# Altium PCB HORNET-1-IPG.PcbDoc (part 1 of 8) (continued)
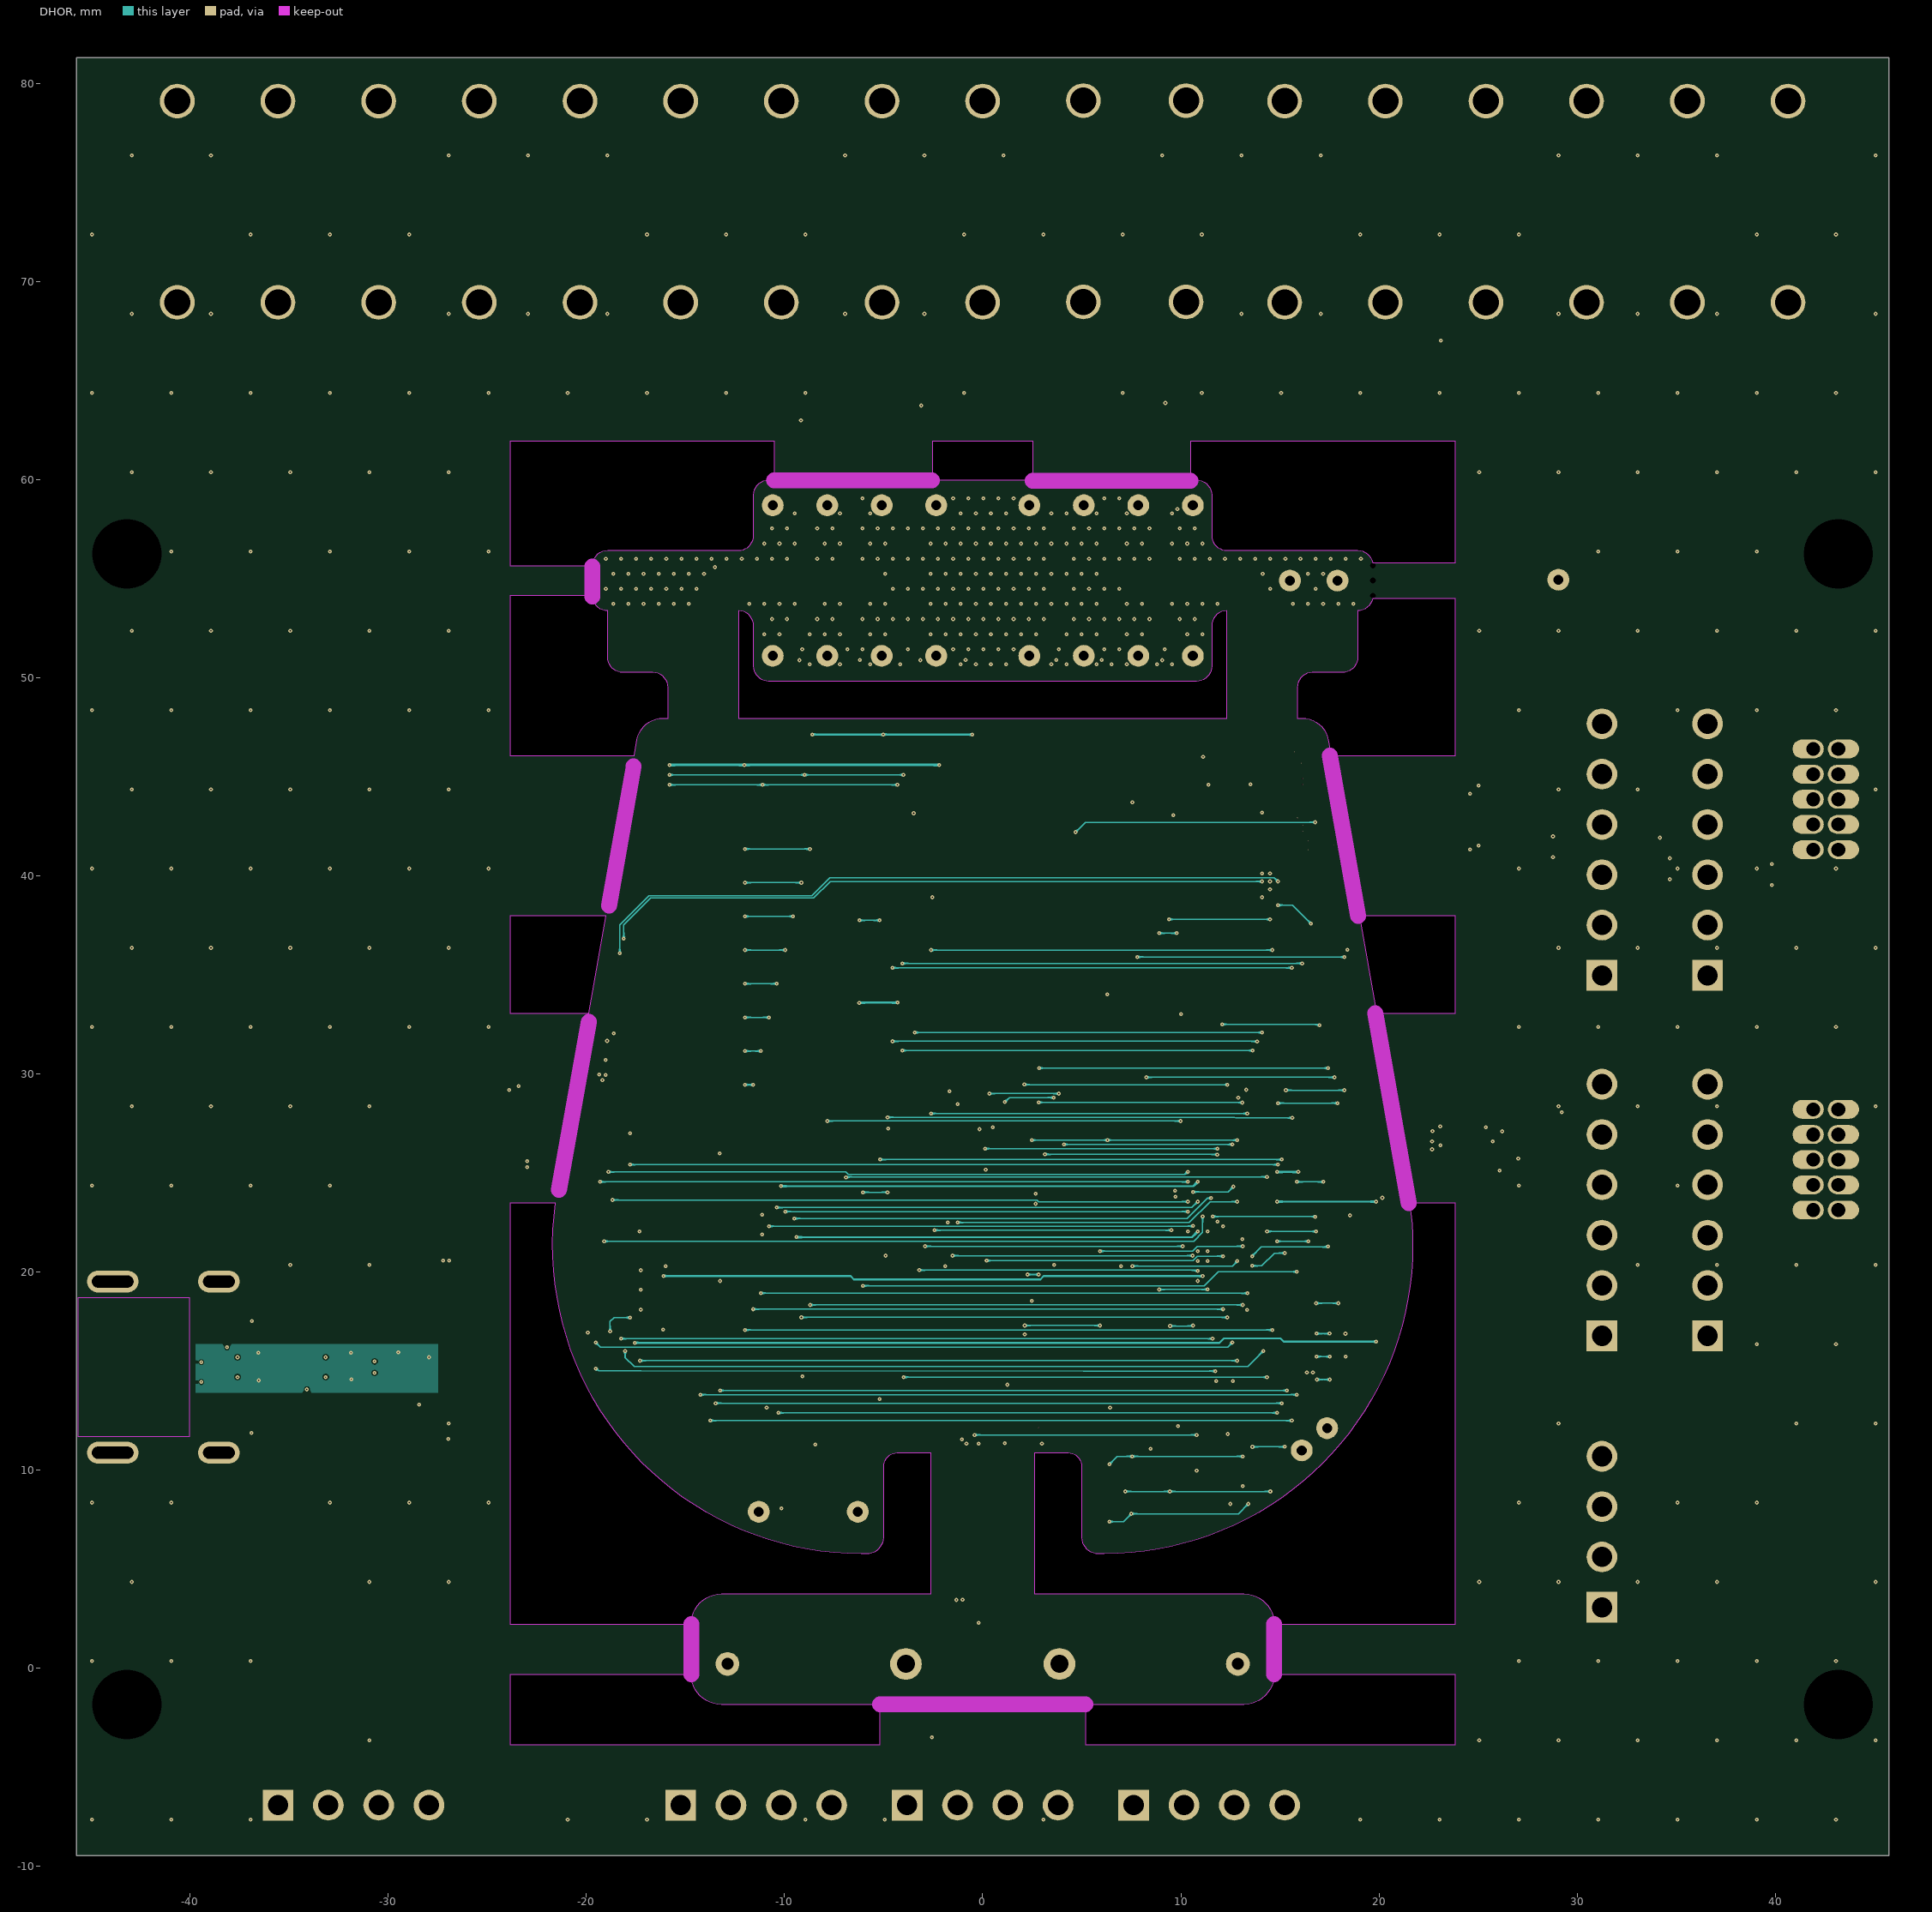
[diagram p7: DHOR]
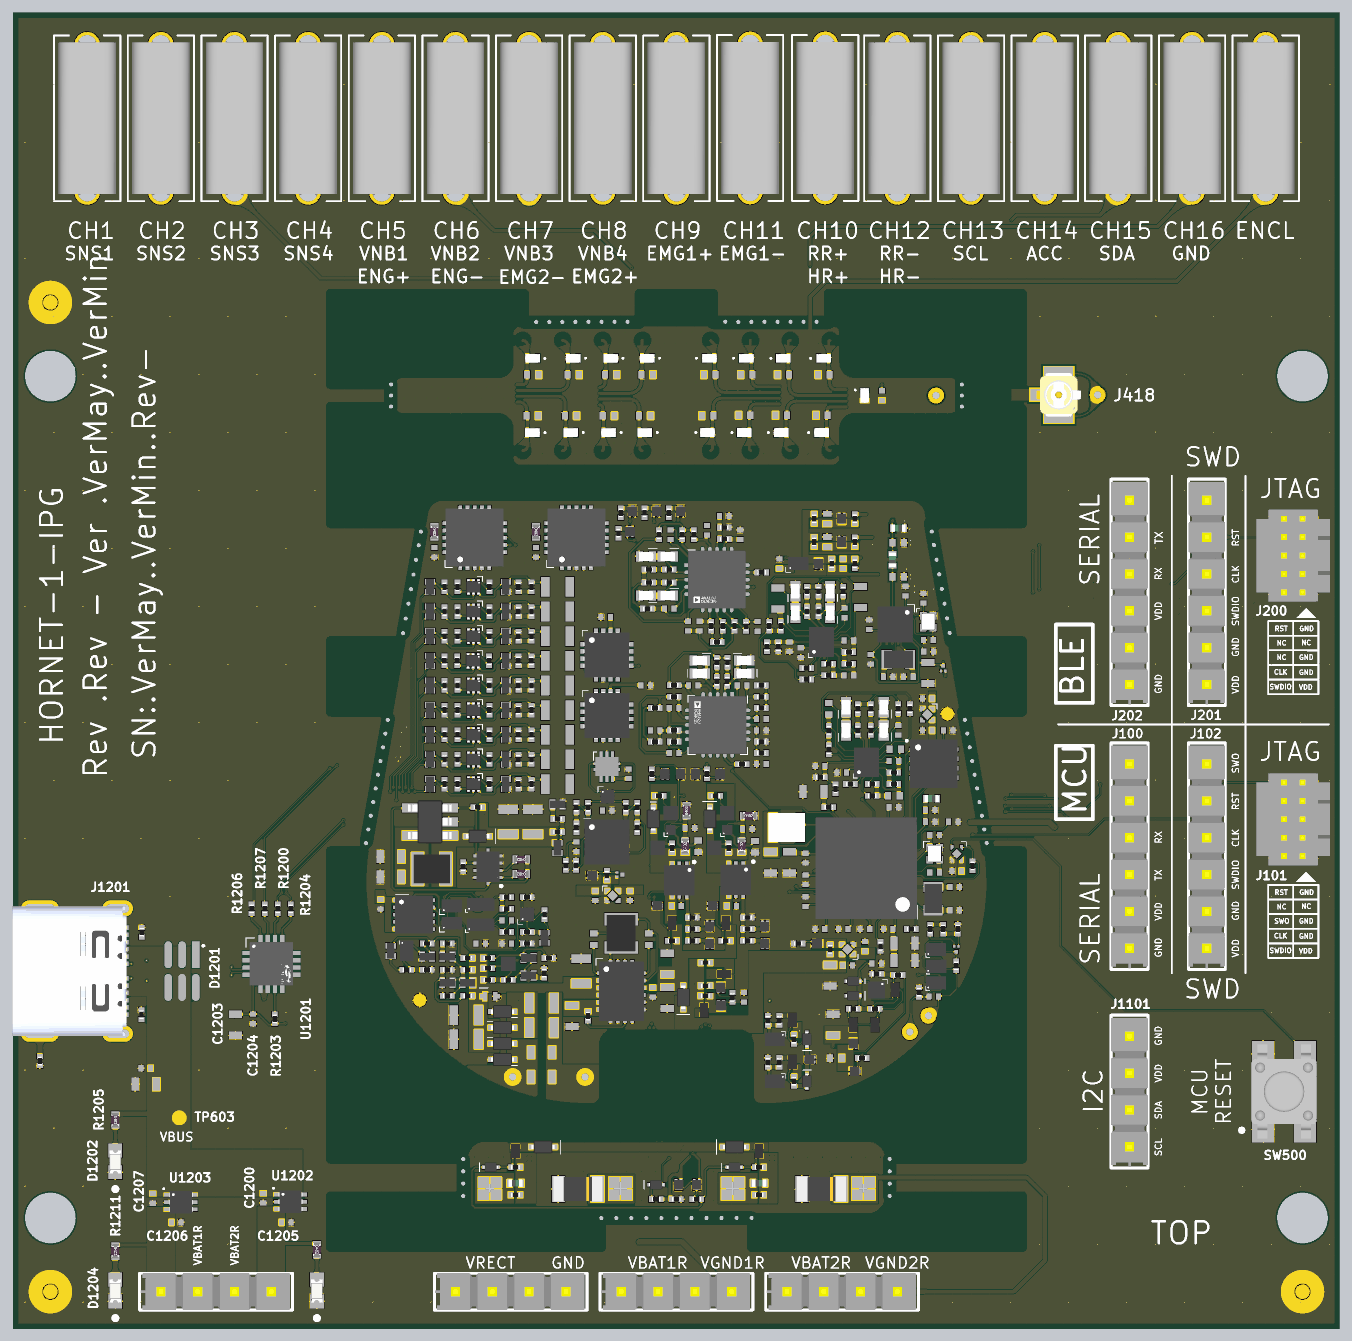
[diagram p15: 3D render of the assembled board from above, using the file's embedded part models]

## Layer stack, top to bottom
Top Solder: solder mask 0.0381, FC-001, Dk 4
Top Solder: solder mask 0.0178, SM-004, Dk 4
TOP: signal copper 0.0203
Dielectric 1: prepreg 0.0457, FR-370HR, Dk 4.04
AVERT: signal copper 0.0178
Dielectric 2: prepreg 0.0457, FR-370HR, Dk 4.04
AHOR: signal copper 0.0178
Dielectric 3: prepreg 0.1016, FR-370HR, Dk 4.04
Dielectric 3: prepreg 0.1016, FR-370HR, Dk 4.04
GND: signal copper 0.0178
Polyimide 4 Core: core 0.0508, Core-50um, Dk 4
POWER: signal copper 0.0178
Dielectric 4: prepreg 0.1016, FR-370HR, Dk 4.04
DVERT: signal copper 0.0178
Dielectric 5: prepreg 0.0457, FR-370HR, Dk 4.04
DHOR: signal copper 0.0178
Dielectric 6: prepreg 0.0457, FR-370HR, Dk 4.04
BOT: signal copper 0.0203
ThinFlex Bottom Coverlay: solder mask 0.0178, SM-004, Dk 4
ThinFlex Bottom Coverlay: solder mask 0.0381, FC-001, Dk 4

## Board outline
45.72,-0.316 45.723,-0.316 45.723,81.28 -45.717,81.28 -45.717,-9.449 23.859,-9.449 45.72,-9.449
cut-out: -2.549,59.977 2.549,59.977 2.549,61.925 -2.549,61.925
cut-out: 23.848,55.809 23.848,61.925 10.495,61.925 10.495,59.977 10.795,59.977 cw(c10.794,59.214) 11.557,59.215 11.557,57.183 ccw(c12.318,57.183) 12.319,56.421 18.923,56.421 cw(c18.922,55.658) 19.67,55.809
cut-out: 23.848,46.071 23.848,53.986 19.67,53.986 cw(c18.924,54.135) 18.923,53.373 18.923,51.021 18.923,51.02 cw(c18.162,51.02) 18.161,50.259 16.637,50.259 ccw(c16.638,49.496) 15.875,49.496 15.875,47.957 16.126,47.957 cw(c16.126,46.623) 17.44,46.855 17.578,46.071
cut-out: 23.848,33.071 23.848,37.978 19.005,37.978 19.87,33.071
cut-out: 5.188,-1.834 5.188,-3.852 23.853,-3.852 23.853,-0.316 14.706,-0.316 14.706,-0.315 cw(c13.182,-0.305) 13.182,-1.829 5.182,-1.829
cut-out: 2.604,3.759 13.182,3.759 cw(c13.182,2.235) 14.706,2.235 23.848,2.235 23.848,23.484 21.551,23.484 cw(c6.143,21.336) 21.7,21.336 cw(c6.142,21.336) 6.142,5.778 5.842,5.778 cw(c5.842,6.604) 5.016,6.604 5.016,10.16 ccw(c4.318,10.16) 4.318,10.858 2.604,10.858
cut-out: -12.319,47.957 12.319,47.957 12.319,53.373 ccw(c12.32,52.61) 11.557,52.611 11.557,50.579 cw(c10.796,50.579) 10.795,49.817 -10.795,49.817 cw(c-10.796,50.579) -11.557,50.579 -11.557,52.611 ccw(c-12.32,52.61) -12.319,53.373
cut-out: -23.851,55.651 -19.67,55.651 -19.67,55.809 cw(c-18.922,55.658) -18.923,56.421 -12.319,56.421 ccw(c-12.318,57.183) -11.557,57.183 -11.557,59.214 cw(c-10.794,59.214) -10.795,59.977 -10.495,59.977 -10.495,61.925 -23.851,61.925
cut-out: -23.851,46.071 -17.578,46.071 -17.44,46.855 cw(c-16.126,46.623) -16.126,47.957 -15.875,47.957 -15.875,49.497 ccw(c-16.638,49.496) -16.637,50.259 -18.161,50.259 cw(c-18.162,51.02) -18.923,51.02 -18.923,53.373 cw(c-18.924,54.135) -19.67,53.986 -19.67,54.135 -23.851,54.135
cut-out: -23.851,33.071 -19.87,33.071 -19.005,37.978 -23.851,37.978
cut-out: -23.851,-3.852 -5.188,-3.852 -5.188,-1.834 -5.182,-1.829 -13.183,-1.829 cw(c-13.183,-0.305) -14.707,-0.316 -23.851,-0.316
cut-out: -2.603,3.759 -2.603,10.858 -4.318,10.858 ccw(c-4.318,10.16) -5.016,10.16 -5.016,6.604 cw(c-5.842,6.604) -5.842,5.778 -6.142,5.778 cw(c-6.142,21.336) -21.551,23.484 -23.851,23.484 -23.851,2.235 -14.707,2.235 cw(c-13.183,2.235) -13.183,3.759
board region "Layer Stack Region 9": -23.851,23.484 -21.501,23.484 -19.8,33.071 -23.851,33.071 -23.851,37.978 -18.937,37.978 -17.505,46.071 -23.851,46.071 -23.851,54.135 -19.617,54.135 -19.617,55.651 -23.851,55.651 -23.851,61.925 -10.495,61.925 -10.495,59.977 -2.549,59.977 -2.549,61.925 2.549,61.925 2.549,59.977 10.495,59.977 10.495,61.925 23.848,61.925 23.848,55.809 19.657,55.809 19.657,53.986 23.848,53.986 23.848,46.071 17.564,46.071 18.996,37.978 23.848,37.978 23.848,33.071 19.808,33.071 21.509,23.484 23.848,23.484 23.848,2.235 14.706,2.235 14.701,2.23 14.701,-0.31 14.706,-0.316 45.723,-0.316 45.723,81.28 -45.717,81.28 -45.717,-9.449 23.859,-9.449 23.859,-3.857 23.853,-3.852 5.188,-3.852 5.188,-1.834 5.182,-1.829 -5.182,-1.829 -5.188,-1.834 -5.188,-3.852 -23.851,-3.852 -23.851,-0.316 -14.706,-0.316 -14.701,-0.31 -14.701,2.23 -14.706,2.235 -23.851,2.235
board region "Layer Stack Region 3": 5.842,5.778 6.142,5.778 6.753,5.778 7.972,5.874 9.179,6.065 10.368,6.351 11.531,6.728 12.66,7.196 13.749,7.751 14.792,8.39 15.781,9.109 16.711,9.903 17.575,10.767 18.369,11.697 19.088,12.686 19.726,13.728 20.281,14.818 20.749,15.947 21.127,17.11 21.412,18.298 21.604,19.506 21.7,20.725 21.7,21.336 21.7,21.605 21.681,22.144 21.644,22.681 21.588,23.217 21.551,23.484 21.509,23.484 19.808,33.071 19.87,33.071 19.005,37.978 18.996,37.978 17.564,46.071 17.578,46.071 17.44,46.855 17.42,46.97 17.34,47.189 17.223,47.391 17.073,47.57 16.894,47.72 16.692,47.837 16.473,47.917 16.243,47.957 16.126,47.957 -16.126,47.957 -16.243,47.957 -16.473,47.917 -16.692,47.837 -16.894,47.72 -17.073,47.57 -17.223,47.391 -17.34,47.189 -17.42,46.97 -17.44,46.855 -17.578,46.071 -17.505,46.071 -18.937,37.978 -19.005,37.978 -19.87,33.071 -19.8,33.071 -21.501,23.484 -21.551,23.484 -21.627,22.935 -21.702,21.829 -21.697,20.721 -21.614,19.615 -21.452,18.518 -21.213,17.436 -20.897,16.373 -20.507,15.336 -20.043,14.329 -19.509,13.358 -18.908,12.427 -18.241,11.541 -17.514,10.704 -16.728,9.922 -15.889,9.198 -15.001,8.535 -14.067,7.937 -13.094,7.407 -12.085,6.947 -11.046,6.561 -9.982,6.249 -8.899,6.014 -7.802,5.857 -6.696,5.778 -6.142,5.778 -5.842,5.778 -5.761,5.778 -5.601,5.81 -5.451,5.872 -5.316,5.962 -5.2,6.078 -5.11,6.213 -5.048,6.363 -5.016,6.523 -5.016,6.604 -5.016,10.16 -5.013,10.228 -4.986,10.363 -4.934,10.489 -4.858,10.603 -4.761,10.7 -4.647,10.776 -4.521,10.828 -4.386,10.855 -4.318,10.858 4.318,10.858 4.386,10.855 4.521,10.828 4.647,10.776 4.761,10.7 4.858,10.603 4.934,10.489 4.986,10.363 5.013,10.228 5.016,10.16 5.016,6.604 5.016,6.523 5.048,6.363 5.11,6.213 5.201,6.078 5.316,5.962 5.451,5.872 5.601,5.81 5.761,5.778
board region "Layer Stack Region 2": -18.924,53.373 -18.923,53.373 -12.319,53.373 -12.244,53.37 -12.098,53.34 -11.96,53.283 -11.836,53.2 -11.73,53.094 -11.647,52.97 -11.59,52.832 -11.561,52.686 -11.557,52.611 -11.557,50.579 -11.557,50.504 -11.528,50.356 -11.47,50.218 -11.387,50.093 -11.281,49.987 -11.156,49.904 -11.017,49.846 -10.87,49.817 -10.795,49.817 10.795,49.817 10.87,49.817 11.017,49.846 11.156,49.904 11.281,49.987 11.387,50.093 11.47,50.218 11.528,50.357 11.557,50.504 11.557,50.579 11.557,52.611 11.561,52.686 11.59,52.832 11.647,52.97 11.73,53.094 11.836,53.2 11.96,53.283 12.098,53.34 12.244,53.37 12.319,53.373 18.923,53.373 19.055,53.373 19.304,53.462 19.509,53.63 19.645,53.856 19.67,53.986 19.657,53.986 19.657,55.809 19.67,55.809 19.644,55.938 19.508,56.164 19.304,56.332 19.055,56.421 18.923,56.421 12.319,56.421 12.244,56.425 12.098,56.454 11.96,56.511 11.836,56.594 11.73,56.699 11.647,56.824 11.59,56.962 11.561,57.108 11.557,57.183 11.557,59.215 11.557,59.29 11.527,59.437 11.47,59.576 11.387,59.701 11.28,59.807 11.156,59.89 11.017,59.948 10.87,59.977 10.795,59.977 10.495,59.977 2.549,59.977 -2.549,59.977 -10.795,59.977 -10.87,59.977 -11.017,59.948 -11.156,59.89 -11.281,59.807 -11.387,59.7 -11.47,59.575 -11.528,59.437 -11.557,59.289 -11.557,59.214 -11.557,57.183 -11.561,57.109 -11.59,56.962 -11.647,56.824 -11.73,56.7 -11.835,56.594 -11.96,56.511 -12.098,56.454 -12.244,56.425 -12.319,56.421 -18.923,56.421 -19.055,56.421 -19.304,56.332 -19.508,56.164 -19.644,55.938 -19.67,55.809 -19.67,55.651 -19.617,55.651 -19.617,54.135 -19.67,54.135 -19.67,53.986 -19.645,53.856 -19.509,53.63 -19.304,53.462 -19.056,53.373
board region "Layer Stack Region 8": 45.72,-9.449 45.72,-0.316 23.853,-0.316 23.853,-3.852 23.859,-3.857 23.859,-9.449
board region "Layer Stack Region 6": 13.182,-1.829 13.332,-1.829 13.625,-1.771 13.901,-1.657 14.15,-1.491 14.362,-1.281 14.529,-1.033 14.645,-0.758 14.705,-0.465 14.706,-0.315 14.701,-0.31 14.701,2.23 14.706,2.235 14.706,2.385 14.648,2.68 14.533,2.957 14.366,3.207 14.154,3.419 13.904,3.586 13.627,3.701 13.332,3.759 13.182,3.759 -13.183,3.759 -13.333,3.759 -13.627,3.701 -13.904,3.586 -14.154,3.419 -14.366,3.207 -14.533,2.957 -14.648,2.68 -14.707,2.385 -14.707,2.235 -14.701,2.23 -14.701,-0.31 -14.706,-0.316 -14.705,-0.465 -14.645,-0.758 -14.529,-1.033 -14.362,-1.281 -14.15,-1.491 -13.901,-1.657 -13.625,-1.771 -13.332,-1.829 -13.183,-1.829 5.182,-1.829
board region "Layer Stack Region 7": -2.603,3.759 2.604,3.759 2.604,10.858 -2.603,10.858
board region "Layer Stack Region 4": -18.162,50.259 -18.161,50.259 -16.637,50.259 -16.562,50.255 -16.416,50.226 -16.278,50.169 -16.154,50.086 -16.048,49.98 -15.965,49.856 -15.908,49.718 -15.879,49.571 -15.875,49.497 -15.875,47.957 -12.319,47.957 -12.319,53.373 -18.923,53.373 -18.923,51.02 -18.923,50.945 -18.894,50.798 -18.836,50.66 -18.753,50.535 -18.647,50.429 -18.522,50.345 -18.384,50.288 -18.237,50.259
board region "Layer Stack Region 5": 18.923,51.02 18.923,51.021 18.923,53.373 12.319,53.373 12.319,47.957 15.875,47.957 15.875,49.496 15.879,49.571 15.908,49.717 15.965,49.855 16.048,49.979 16.154,50.085 16.278,50.168 16.416,50.226 16.562,50.255 16.637,50.259 18.161,50.259 18.236,50.259 18.383,50.288 18.522,50.345 18.647,50.429 18.753,50.535 18.836,50.659 18.894,50.798 18.923,50.945

## Design rules (kind name [scope] priority, off if disabled: settings)
AcuteAngle [All] p1: minimum=6.00000000000000E+0001 checktracksonly=TRUE
AssemblyTestPointUsage [All] p1 off:
AssemblyTestpoint [All] p1 off: testpointundercomponent=TRUE minsize=1.016 maxsize=2.54 preferedsize=1.524 minholesize=0 maxholesize=1.016 preferedholesize=0.813 testpointgrid=0.025 usegrid=TRUE gridtolerance=0 allowsidetop=TRUE allowsidebottom=TRUE
BoardOutlineClearance BoardOutlineClearance_PWR [OnLayer('POWER') AND IsPolygon] p1: gap=0.06 ignorepadtopadclearanceinfootprint=FALSE except(0.325: Poly-OutlineEdge Poly-CavityEdge Poly-CutoutEdge Poly-SplitContinuation)
BoardOutlineClearance [Not(OnLayer('Top Overlay')OR OnLayer('Bottom Overlay') or (IsPad and not InAnyNet))] p2: gap=0.06 ignorepadtopadclearanceinfootprint=FALSE except(0: Arc-SplitContinuation Track-SplitContinuation SMDPad-SplitContinuation THPad-SplitContinuation Via-SplitContinuation Fill-SplitContinuation Poly-SplitContinuation Region-SplitContinuation Text-SplitContinuation; 0.325: Poly-OutlineEdge Poly-CavityEdge Poly-CutoutEdge) // GSS_Standard
Clearance Clearance_ANT [InNetClass('50_OHM')] p1: gap=0.127 ignorepadtopadclearanceinfootprint=TRUE
Clearance Clearance_GSS_STD_40u_underBGA [WithinRoom('BGA1','BGA2','BGA3','BGA4','BGA5','BGA6')] p2: gap=0.051 ignorepadtopadclearanceinfootprint=TRUE // 18u (1/2oz) Cu
Clearance Clearance_GSS_STD_40u_NOTunderBGA [not WithinRoom('BGA1','BGA2','BGA3','BGA4','BGA5','BGA6')] p3: gap=0.06 ignorepadtopadclearanceinfootprint=TRUE except(0.051: Via-Via; 0.1: Poly-Hole; 0.13: Arc-SMDPad Track-SMDPad) // 18u (1/2oz) Cu
Clearance Clearance_GSS_PERF_40u [All] p4 off: gap=0.04 ignorepadtopadclearanceinfootprint=TRUE // 18u (1/2oz) Cu per design guidelines
Clearance Clearance_GSS_PERF_50u [All] p5 off: gap=0.05 ignorepadtopadclearanceinfootprint=TRUE // 18u (1/2oz) Cu per discussion with GSS
ComponentClearance [All] p1: gap=0.2 collisioncheckmode=3 verticalgap=0.254 showdistances=FALSE
DiffPairsRouting DiffPairsRouting_USB [InDifferentialPair('USB')] p1: maxlimit=0.127 minlimit=0.102 mostfreqgap=0.127 toplayer_maxgap=0.102 toplayer_prefgap=0.102 toplayer_minwidth=0.079 toplayer_maxwidth=0.079 toplayer_prefwidth=0.079 bottomlayer_maxgap=0.102 bottomlayer_prefgap=0.102 bottomlayer_minwidth=0.079 bottomlayer_maxwidth=0.079 bottomlayer_prefwidth=0.079 substack1={3E7DB748-9F02-419D-9B08-30533E7470E3} toplayer_{3e7db748-9f02-419d-9b08-30533e7470e3}_mingap=0.254 toplayer_{3e7db748-9f02-419d-9b08-30533e7470e3}_maxgap=0.254 toplayer_{3e7db748-9f02-419d-9b08-30533e7470e3}_prefgap=0.254 toplayer_{3e7db748-9f02-419d-9b08-30533e7470e3}_minwidth=0.381 toplayer_{3e7db748-9f02-419d-9b08-30533e7470e3}_maxwidth=0.381 toplayer_{3e7db748-9f02-419d-9b08-30533e7470e3}_prefwidth=0.381 midlayer1_{3e7db748-9f02-419d-9b08-30533e7470e3}_mingap=0.254 midlayer1_{3e7db748-9f02-419d-9b08-30533e7470e3}_maxgap=0.254 midlayer1_{3e7db748-9f02-419d-9b08-30533e7470e3}_prefgap=0.254 midlayer1_{3e7db748-9f02-419d-9b08-30533e7470e3}_minwidth=0.381 midlayer1_{3e7db748-9f02-419d-9b08-30533e7470e3}_maxwidth=0.381 midlayer1_{3e7db748-9f02-419d-9b08-30533e7470e3}_prefwidth=0.381 midlayer2_{3e7db748-9f02-419d-9b08-30533e7470e3}_mingap=0.254 midlayer2_{3e7db748-9f02-419d-9b08-30533e7470e3}_maxgap=0.254 midlayer2_{3e7db748-9f02-419d-9b08-30533e7470e3}_prefgap=0.254 midlayer2_{3e7db748-9f02-419d-9b08-30533e7470e3}_minwidth=0.381 midlayer2_{3e7db748-9f02-419d-9b08-30533e7470e3}_maxwidth=0.381 midlayer2_{3e7db748-9f02-419d-9b08-30533e7470e3}_prefwidth=0.381 midlayer3_{3e7db748-9f02-419d-9b08-30533e7470e3}_mingap=0.254 midlayer3_{3e7db748-9f02-419d-9b08-30533e7470e3}_maxgap=0.254 midlayer3_{3e7db748-9f02-419d-9b08-30533e7470e3}_prefgap=0.254 midlayer3_{3e7db748-9f02-419d-9b08-30533e7470e3}_minwidth=0.381 midlayer3_{3e7db748-9f02-419d-9b08-30533e7470e3}_maxwidth=0.381 midlayer3_{3e7db748-9f02-419d-9b08-30533e7470e3}_prefwidth=0.381 midlayer6_{3e7db748-9f02-419d-9b08-30533e7470e3}_mingap=0.254 midlayer6_{3e7db748-9f02-419d-9b08-30533e7470e3}_maxgap=0.254 midlayer6_{3e7db748-9f02-419d-9b08-30533e7470e3}_prefgap=0.254 midlayer6_{3e7db748-9f02-419d-9b08-30533e7470e3}_minwidth=0.381 midlayer6_{3e7db748-9f02-419d-9b08-30533e7470e3}_maxwidth=0.381 midlayer6_{3e7db748-9f02-419d-9b08-30533e7470e3}_prefwidth=0.381 bottomlayer_{3e7db748-9f02-419d-9b08-30533e7470e3}_mingap=0.254 bottomlayer_{3e7db748-9f02-419d-9b08-30533e7470e3}_maxgap=0.254 bottomlayer_{3e7db748-9f02-419d-9b08-30533e7470e3}_prefgap=0.254 bottomlayer_{3e7db748-9f02-419d-9b08-30533e7470e3}_minwidth=0.381 bottomlayer_{3e7db748-9f02-419d-9b08-30533e7470e3}_maxwidth=0.381 bottomlayer_{3e7db748-9f02-419d-9b08-30533e7470e3}_prefwidth=0.381 impedanceprofiledriven=TRUE impedanceprofileid={1821BC03-67A2-4A2A-97A5-594607916CFC} impedanceprofilevalue=90.000000 filterlayerstackid={A074DC63-9603-4F09-AF23-0239F3F14C14} maxuncoupledlength=12.7
DiffPairsRouting [All] p2: maxlimit=0.254 minlimit=0.254 mostfreqgap=0.254 toplayer_minwidth=0.381 toplayer_maxwidth=0.381 toplayer_prefwidth=0.381 midlayer1_minwidth=0.381 midlayer1_maxwidth=0.381 midlayer1_prefwidth=0.381 midlayer2_minwidth=0.381 midlayer2_maxwidth=0.381 midlayer2_prefwidth=0.381 midlayer3_minwidth=0.381 midlayer3_maxwidth=0.381 midlayer3_prefwidth=0.381 midlayer4_minwidth=0.381 midlayer4_maxwidth=0.381 midlayer4_prefwidth=0.381 midlayer5_minwidth=0.381 midlayer5_maxwidth=0.381 midlayer5_prefwidth=0.381 midlayer6_minwidth=0.381 midlayer6_maxwidth=0.381 midlayer6_prefwidth=0.381 bottomlayer_minwidth=0.381 bottomlayer_maxwidth=0.381 bottomlayer_prefwidth=0.381 substack1={3E7DB748-9F02-419D-9B08-30533E7470E3} toplayer_{3e7db748-9f02-419d-9b08-30533e7470e3}_minwidth=0.381 toplayer_{3e7db748-9f02-419d-9b08-30533e7470e3}_maxwidth=0.381 toplayer_{3e7db748-9f02-419d-9b08-30533e7470e3}_prefwidth=0.381 midlayer1_{3e7db748-9f02-419d-9b08-30533e7470e3}_minwidth=0.381 midlayer1_{3e7db748-9f02-419d-9b08-30533e7470e3}_maxwidth=0.381 midlayer1_{3e7db748-9f02-419d-9b08-30533e7470e3}_prefwidth=0.381 midlayer2_{3e7db748-9f02-419d-9b08-30533e7470e3}_minwidth=0.381 midlayer2_{3e7db748-9f02-419d-9b08-30533e7470e3}_maxwidth=0.381 midlayer2_{3e7db748-9f02-419d-9b08-30533e7470e3}_prefwidth=0.381 midlayer3_{3e7db748-9f02-419d-9b08-30533e7470e3}_minwidth=0.381 midlayer3_{3e7db748-9f02-419d-9b08-30533e7470e3}_maxwidth=0.381 midlayer3_{3e7db748-9f02-419d-9b08-30533e7470e3}_prefwidth=0.381 midlayer4_{3e7db748-9f02-419d-9b08-30533e7470e3}_minwidth=0.381 midlayer4_{3e7db748-9f02-419d-9b08-30533e7470e3}_maxwidth=0.381 midlayer4_{3e7db748-9f02-419d-9b08-30533e7470e3}_prefwidth=0.381 midlayer5_{3e7db748-9f02-419d-9b08-30533e7470e3}_minwidth=0.381 midlayer5_{3e7db748-9f02-419d-9b08-30533e7470e3}_maxwidth=0.381 midlayer5_{3e7db748-9f02-419d-9b08-30533e7470e3}_prefwidth=0.381 midlayer6_{3e7db748-9f02-419d-9b08-30533e7470e3}_minwidth=0.381 midlayer6_{3e7db748-9f02-419d-9b08-30533e7470e3}_maxwidth=0.381 midlayer6_{3e7db748-9f02-419d-9b08-30533e7470e3}_prefwidth=0.381 bottomlayer_{3e7db748-9f02-419d-9b08-30533e7470e3}_minwidth=0.381 bottomlayer_{3e7db748-9f02-419d-9b08-30533e7470e3}_maxwidth=0.381 bottomlayer_{3e7db748-9f02-419d-9b08-30533e7470e3}_prefwidth=0.381 filterlayerstackid={A074DC63-9603-4F09-AF23-0239F3F14C14} maxuncoupledlength=12.7
FabricationTestPointUsage [All] p1 off: valid=0 allowmultiple=FALSE
FabricationTestpoint [All] p1 off: side=3 testpointundercomponent=TRUE minsize=1.016 maxsize=2.54 preferedsize=1.524 minholesize=0 maxholesize=1.016 preferedholesize=0.813 testpointgrid=0.025 allowsidetop=TRUE allowsidebottom=TRUE usegrid=TRUE gridtolerance=0
FanoutControl Fanout_Default [All] p1: bgadir=Out bgaviamode=Centered fanoutstyle=Auto fanoutdirection=Alternating viagrid=0.025 // Fanout_Default (Default Rule)
HoleSize [All] p1: absolutevalues=TRUE maxlimit=5 minlimit=0.07 maxpercent=80.000 minpercent=20.000
HoleToHoleClearance [IsVia vs IsVia] p1: gap=0.229 allowstackedmicrovias=TRUE
MatchedLengths [InDifferentialPair('USB')] p1: tolerance=1 checknetsindiffpair=FALSE checkdiffpairvsdiffpair=TRUE checkxsignals=TRUE checkothers=TRUE
MaxMinImpedance "Schematic Impedance Constraint_1" [InNetClass('50_OHM')] p1: minimum=50.00 maximum=50.00
MaxMinImpedance [InNet('NetC59_1')] p2: minimum=50.00 maximum=50.00
MinimumSolderMaskSliver MinimumSolderMaskSliver_GSS_PERF [All] p1: minsoldermaskwidth=0.05
NetAntennae [not (WithinRoom('ENPANEL') or WithinRoom('POWERIN') or WithinRoom('THERM'))] p1: netantennaetolerance=0
PermittedLayers [All] p1: toplayerpermitted=TRUE bottomlayerpermitted=TRUE
PlaneClearance [IsPolygon] p1 off: clearance=0.06
PlaneConnect [All] p1 off: planeconnectstyle=Direct reliefexpansion=0.508 reliefentries=4 reliefconductorwidth=0.254 reliefairgap=0.254